# Altium PCB AMC_Box_Mainboard.PcbDoc (part 5 of 8)
Units mil, origin at the board's own origin, x right, y up, seen from the top; angles counter-clockwise.
Board outline 2795.28 x 7874.02 mil, 4 copper layers (TOP, GND, PWR, BTM), stack 63.701 mil thick; 505 components, 378 nets, 1991 pads, 997 vias.
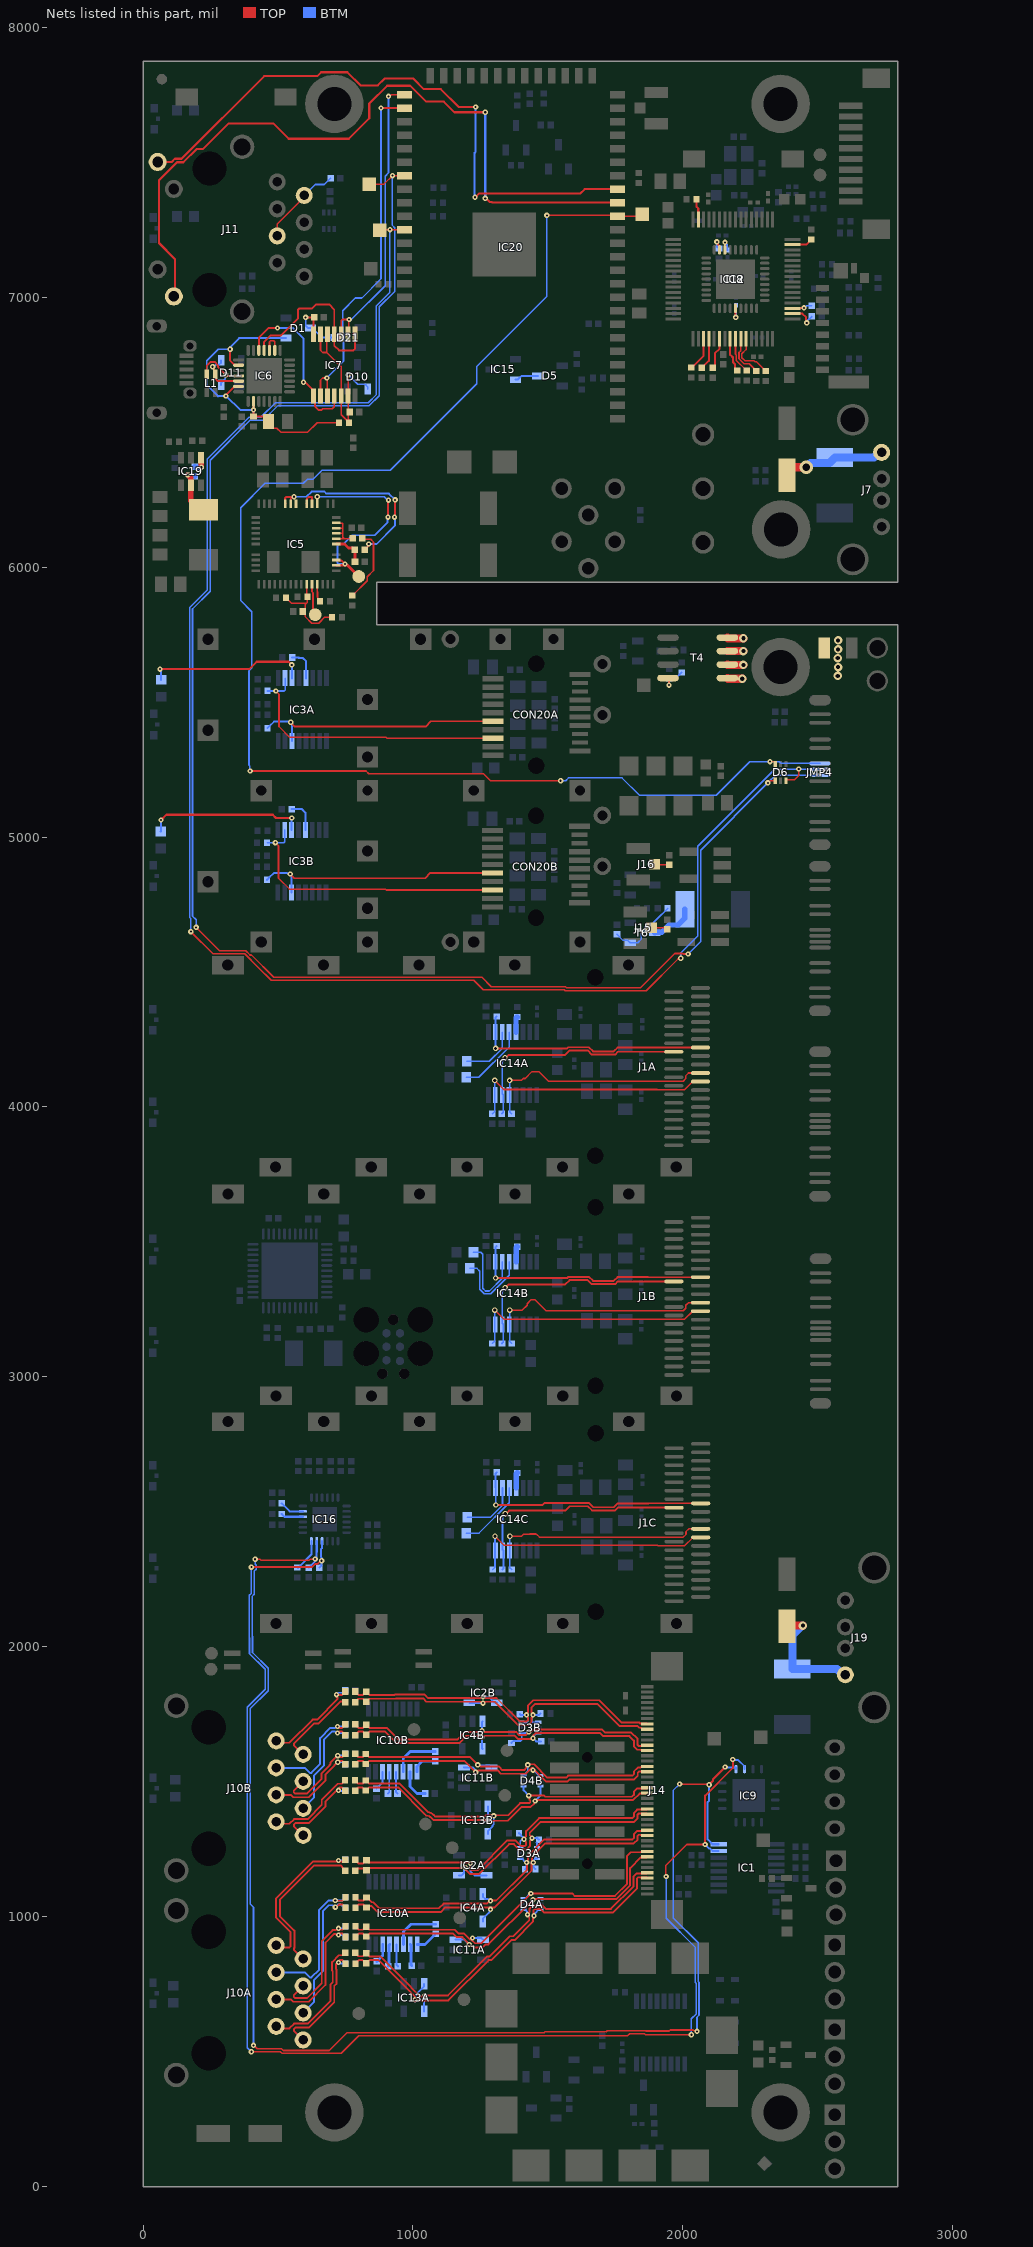
[diagram p7: the nets of this part, all layers, seen from the top]

## Via types
v1: diameter 19.68, hole 7.87, TOP to BTM, tented both sides, 751 vias
v2: diameter 20.08, hole 11.81, TOP to BTM, tented both sides, 162 vias
v3: diameter 19.68, hole 7.87, TOP to BTM, 43 vias
v4: diameter 31.5, hole 15.75, TOP to BTM, tented both sides, 36 vias
v5: diameter 25.98, hole 12.99, TOP to BTM, tented both sides, 4 vias
v6: diameter 50, hole 28, TOP to BTM, tented both sides, 1 vias

## Nets (pads, with @x,y where several pads share a name; then routed paths per layer and width w, separated by ;. In a path a pad name is that pad's centre, name@x,y a point inside that pad or via, vN(x,y) a via of type N, cw(c..) or ccw(c..) an arc to the next point about the centre after c; other vN are vias at no path point) (continued)
I2CH.SCL: IC1.16 IC9.13 IC16.17 R205.1 | length 5362.1
  TOP w6: v1(409.45,523.62) 410.3,523.62 423.2,510.72 513.35,510.72 519.4,504.68 689.92,504.68 756.1,570.87 1486.22,570.87 1489.43,574.07 1716.44,574.07 1720.03,577.65 1862.07,577.65 1862.8,576.92 1948.97,576.92 1952.61,580.56 2038.77,580.56 2041.16,578.17 2049.81,578.17 v1(2052.43,575.55) ; v1(415.32,2324.58) 415.35,2324.55 433.59,2324.55 436.59,2321.55 615.82,2321.55 618.82,2324.55 637.05,2324.55 v1(637.66,2325.15) ; v1(1988.19,1492.13) 1989.68,1490.64 2095.97,1490.64 v1(2097.46,1489.15)
  TOP w7.87: v1(2097.46,1489.15) 2097.46,1490.52 2112.09,1505.15 2112.09,1510.71 v1(2156.5,1555.12)
  BTM w6: v1(409.45,523.62) 409.45,1035.43 397.45,1047.43 397.45,1771.46 463.6,1837.62 463.6,1921.06 405.45,1979.21 405.45,2038.73 404.1,2040.08 404.1,2186.29 412.3,2194.49 412.3,2281.16 419.14,2288 419.14,2302.55 415.38,2306.31 415.38,2324.51 v1(415.32,2324.58) ; v1(1988.19,1492.13) 1963.81,1467.74 1963.81,996.82 2057.24,903.39 2057.24,760.44 2059.79,757.89 2059.79,635.74 2052.43,628.38 v1(2052.43,575.55)
  BTM w7.87: R205.1@614.17,2293.31 643.26,2322.4 643.26,2350.98 643.7,2351.42 IC16.17@643.7,2391.73 ; v1(637.66,2325.15) 637.66,2322.85 v1@640.69,2319.82 ; v1(2097.46,1489.15) 2097.46,1430.47 2091.83,1424.85 2091.83,1286.95 2109.97,1268.81 IC1.16@2132.6,1268.81 ; v1(2156.5,1555.12) 2158.76,1552.86 2195.03,1552.86 2196.85,1551.04 IC9.13@2196.85,1547.24
I2CH.SDA: IC1.15 IC9.14 IC16.16 R204.1 | length 5235.5
  TOP w6: v1(401.57,500) 508.91,500 514.96,493.95 734.11,493.95 799.21,559.06 1795.28,559.06 1803.15,566.93 1857.63,566.93 1861.57,562.99 v1(2031.5,562.99) ; v1(1938.22,1149.33) 1937.01,1150.54 1937.01,1190.2 2014.53,1267.72 v1(2082.68,1267.72)
  TOP w7: v1(401.57,2295.28) 625.98,2295.28 637.8,2307.09 646.52,2307.09 658.34,2318.9 v1(661.77,2318.9) ; v1(2082.68,1267.72) 2082.68,1448.82 2185.04,1551.18 v1(2185.04,1582.68)
  BTM w6: v1(401.57,500) 386.72,514.85 386.72,1776.56 452.88,1842.71 452.88,1916.62 394.72,1974.77 394.72,2034.29 393.37,2035.64 393.37,2190.73 401.57,2198.94 v1(401.57,2295.28) ; v1(1938.22,1149.33) 1938.74,1148.81 1938.74,994.33 2046.51,886.56 2046.51,756 2049.06,753.45 2049.06,640.18 2031.5,622.62 v1(2031.5,562.99)
  BTM w7: R204.1@653.54,2293.31 661.77,2301.53 v1(661.77,2318.9) 661.77,2330.38 659.1,2333.05 659.1,2361.81 663.39,2366.1 IC16.16@663.39,2391.73 ; v1(2082.68,1267.72) 2097.68,1252.72 2101.07,1252.72 2109.97,1243.81 IC1.15@2132.6,1243.81 ; v1(2185.04,1582.68) 2187.47,1580.25 2205.18,1580.25 2228.35,1557.09 IC9.14@2228.35,1547.24
INTLA: IC14A.5 J1A.28 R12A.1 | length 880.4
  TOP w6: v2(1358.27,4098.43) 1401.57,4098.43 1408.92,4105.77 1416.1,4105.77 1441.46,4131.13 1466.38,4131.13 1502.12,4095.39 2001,4095.39 2010.05,4104.44 2010.05,4115.01 2020.79,4125.75 J1A.28@2065.22,4125.75
  BTM w6: v2(1358.27,4098.43) 1358.27,3981.91 R12A.1@1365.22,3974.96
INTLB: IC14B.5 J1B.28 R12B.1 | length 887.8
  TOP w6: v2(1358.38,3247.72) 1405.27,3247.72 1423.02,3265.47 1423.02,3270.98 1437.52,3285.48 1452.24,3285.48 1493.04,3244.68 2001.12,3244.68 2011.01,3254.57 2011.01,3265.15 2020.9,3275.04 J1B.28@2065.34,3275.04
  BTM w6: v2(1358.38,3247.72) 1358.38,3131.2 R12B.1@1365.33,3124.25
INTLC: IC14C.5 J1C.28 R12C.1 | length 860.3
  TOP w6: v2(1359.19,2409.68) 1402.5,2409.68 1409.84,2417.03 1432.73,2417.03 1433.86,2418.15 1455.69,2418.15 1456.28,2417.56 1457.62,2417.56 1468.53,2406.65 2001.92,2406.65 2011.82,2416.54 2011.82,2427.11 2021.71,2437.01 J1C.28@2066.14,2437.01
  BTM w6: v2(1359.19,2409.68) 1359.19,2293.17 R12C.1@1366.14,2286.22
LED_ETHG: IC20.43 J11.D1 | length 2267.8
  TOP w8: J11.D1@54.24,7500.97 106.18,7500.97 117.93,7512.72 142.65,7512.72 448.87,7818.95 645.62,7818.95 660.2,7833.53 757.12,7833.53 805.79,7784.86 869.7,7784.86 894.57,7809.72 1001.84,7809.72 1040.62,7770.94 1103.07,7770.94 1169.29,7704.72 v1(1232.28,7704.72) ; v1(1229.9,7370.08) 1231.78,7370.08 1246.29,7384.58 1620.8,7384.58 1636.61,7400.39 IC20.43@1758.5,7400.39
  BTM w8: v1(1229.9,7370.08) 1228.35,7371.63 1228.35,7534.32 1232.28,7538.25 v1(1232.28,7704.72)
LED_ETHY: IC20.42 J11.D3 | length 2746.5
  TOP w8: J11.D3@114.24,7002.97 118.11,7006.83 118.11,7141.73 59.06,7200.79 59.06,7433.07 125.98,7500 149.61,7500 198.29,7548.68 221.91,7548.68 317.23,7644 483,7644 540.18,7586.82 762.39,7586.82 838.38,7662.81 838.38,7717.54 904.3,7783.46 989.77,7783.46 1048.8,7724.43 1114.15,7724.43 1153.54,7685.04 v1(1267.72,7685.04) ; v1(1267.72,7366.02) 1270.88,7366.02 1284.04,7352.85 1291.1,7352.85 1293.56,7350.39 IC20.42@1758.5,7350.39
  BTM w8: v1(1267.72,7366.02) v1(1267.72,7685.04)
LOSA: CON20A.8 IC3A.10 R91A.1 | length 1057.5
  TOP w6: v1(492.13,5541.34) 503.94,5529.53 503.94,5409.45 544.18,5369.21 900.4,5369.21 903.67,5365.95 CON20A.8@1296.26,5365.95
  BTM w6: R91A.1@461.42,5541.34 v1(492.13,5541.34) 523.06,5541.34 526.57,5544.85 IC3A.10@526.57,5588.58
LOSB: CON20B.8 IC3B.10 R91B.1 | length 1057.5
  TOP w6: v1(490.35,4979.37) 502.17,4967.56 502.17,4847.48 542.41,4807.24 898.63,4807.24 901.89,4803.98 CON20B.8@1294.49,4803.98
  BTM w6: R91B.1@459.65,4979.37 v1(490.35,4979.37) 521.29,4979.37 524.8,4982.88 IC3B.10@524.8,5026.61
LPModeA: IC14A.10 J1A.31 R6A.1 | length 894.3
  TOP w6: 1871.12,4220.24 J1A.31@2065.22,4220.24
  TOP w7: v2(1306.3,4217.25) 1307.02,4216.54 1570.72,4216.54 1575.62,4221.43 1652.06,4221.43 1667.35,4206.15 1743.79,4206.15 1757.88,4220.24 1871.12,4220.24
  BTM w7: v2(1306.3,4217.25) 1305.74,4217.81 1305.74,4278.67 1305.18,4279.23 1305.18,4330.67 R6A.1@1310.1,4335.59
LPModeB: IC14B.10 J1B.31 R6B.1 | length 894.3
  TOP w6: 1871.24,3369.53 J1B.31@2065.34,3369.53
  TOP w7: v2(1306.42,3366.54) 1307.13,3365.83 1570.84,3365.83 1575.74,3370.72 1652.18,3370.72 1667.46,3355.44 1743.9,3355.44 1758,3369.53 1871.24,3369.53
  BTM w7: v2(1306.42,3366.54) 1305.86,3367.1 1305.86,3427.96 1305.3,3428.52 1305.3,3479.96 R6B.1@1310.22,3484.88
LPModeC: IC14C.10 J1C.31 R6C.1 | length 898.1
  TOP w6: 1872.05,2531.5 J1C.31@2066.14,2531.5
  TOP w7: v2(1307.23,2525.54) 1307.53,2525.24 1479.4,2525.24 1486.85,2532.69 1652.98,2532.69 1668.27,2517.4 1744.71,2517.4 1758.8,2531.5 1872.05,2531.5
  BTM w7: v2(1307.23,2525.54) 1306.66,2526.1 1306.66,2589.93 1306.1,2590.49 1306.1,2641.93 R6C.1@1311.02,2646.85
LVDS0_N: D3B.1 IC2B.4 J14.32 R22B.1 R40B.2 R82B.2 | length 1383.4
  TOP w7: R40B.2@786.22,1795.28 786.22,1796.06 798.12,1807.96 814.48,1807.96 825.98,1796.46 R22B.1@826.77,1796.46 827.56,1796.46 839.06,1807.96 937.59,1807.96 938.63,1809 1037.34,1809 1049.8,1796.54 1251.21,1796.54 1256.41,1791.34 1263.28,1791.34 1268.48,1796.54 1303.81,1796.54 1390.77,1709.59 1427.38,1709.59 1439.68,1721.89 1439.68,1739.39 1444.88,1744.6 v1(1444.88,1748.03) 1444.88,1751.46 1439.68,1756.67 1439.68,1776.25 1451.65,1788.23 1684.28,1788.23 1766.38,1706.12 1832.29,1706.12 1837.98,1700.44 1844.84,1700.44 1850.39,1694.88 J14.32@1868.11,1694.88
  BTM w7: IC2B.4@1208.66,1793.31 1210.63,1791.34 v1(1259.84,1791.34) ; D3B.1@1464.17,1720.47 1444.17,1720.47 1440.07,1724.57 1440.07,1739.79 1444.88,1744.6 v1(1444.88,1748.03) 1467.53,1748.03 R82B.2@1472.5,1753
LVDS0_P: D3B.6 IC2B.3 J14.33 R22B.2 R39B.2 R81B.2 | length 1385.8
  TOP w7: R39B.2@786.22,1834.65 786.22,1833.86 798.12,1821.96 814.48,1821.96 825.98,1833.46 R22B.2@826.77,1833.46 827.56,1833.46 839.06,1821.96 931.79,1821.96 932.83,1823 1043.14,1823 1047.24,1818.9 1055.6,1810.54 1251.21,1810.54 1256.41,1815.75 1263.28,1815.75 1268.48,1810.54 1309.61,1810.54 1396.56,1723.59 1421.58,1723.59 1425.68,1727.69 1425.68,1739.39 1420.47,1744.6 v1(1420.47,1748.03) 1420.47,1751.46 1425.68,1756.67 1425.68,1782.05 1445.85,1802.23 1690.08,1802.23 1772.18,1720.12 1838.09,1720.12 1841.71,1716.5 1866.18,1716.5 J14.33@1868.11,1714.57
  BTM w7: v1(1259.84,1815.75) 1261.29,1814.3 1280.18,1814.3 1301.18,1793.31 IC2B.3@1311.02,1793.31 ; R81B.2@1396,1751 1398.97,1748.03 v1(1420.47,1748.03) 1420.47,1744.6 1426.07,1739 1426.07,1724.57 1421.97,1720.47 D3B.6@1401.97,1720.47
LVDS0A_N: D3A.1 IC2A.4 J14.16 R22A.1 R40A.2 R82A.2 | length 1342.8
  TOP w7: R40A.2@786.22,1171.26 786.22,1172.05 793.74,1179.57 819.25,1179.57 826.38,1172.44 R22A.1@827.95,1172.44 828.74,1172.44 836.66,1180.36 899.1,1180.36 900.19,1181.45 v1@1188.06,1181.45 ; v1@1191.22,1178.29 1210.75,1158.76 1245.49,1158.76 1356.06,1269.33 1373.84,1269.33 1394.22,1248.96 1421.2,1248.96 1433.5,1261.26 1433.5,1280.9 1438.3,1285.7 1438.3,1293.98 1438.07,1294.21 1438.07,1296.67 1432.95,1301.78 1432.95,1311.68 1473.06,1351.79 1819.24,1351.79 1832.26,1364.81 1832.26,1378.66 1836.36,1382.76 1842.16,1382.76 1842.6,1382.33 1865.7,1382.33 J14.16@1868.11,1379.92
  BTM w7: IC2A.4@1170.47,1153.54 1180.32,1153.54 1188.63,1161.85 1188.63,1172.88 1192.91,1177.17 1192.91,1179.99 v1(1194.38,1181.45) ; v1(1440.94,1291.34) 1461,1291.34 R82A.2@1466.68,1285.65 ; R82A.2@1457.05,1275.23 1459.84,1272.44 D3A.1@1459.84,1255.91
LVDS0A_P: D3A.6 IC2A.3 J14.17 R22A.2 R39A.2 R81A.2 | length 1426
  TOP w7: R39A.2@786.22,1210.63 786.22,1209.84 798.12,1197.94 815.66,1197.94 827.17,1209.45 R22A.2@827.95,1209.45 835.87,1201.53 v1@1205.27,1201.53 ; v1(1213.02,1197.21) 1213.02,1192.78 1212.44,1192.21 1212.44,1176.87 1216.55,1172.76 1239.69,1172.76 1350.26,1283.33 1379.64,1283.33 1400.02,1262.96 1415.4,1262.96 1419.5,1267.06 1419.5,1276.96 1411.46,1285 v1(1411.46,1287.4) 1411.46,1290.35 1418.95,1297.84 1418.95,1317.48 1467.27,1365.79 1813.45,1365.79 1818.26,1370.61 1818.26,1384.46 1830.57,1396.76 1843.89,1396.76 1844.32,1397.2 1865.7,1397.2 J14.17@1868.11,1399.61
  BTM w7: v1(1213.02,1197.21) 1212.6,1196.78 1212.6,1169.29 1228.35,1153.54 IC2A.3@1272.83,1153.54 ; R81A.2@1393.5,1310 1393.5,1309.21 1409.03,1293.69 1409.03,1289.83 v1(1411.46,1287.4) ; D3A.6@1397.64,1255.91 1397.64,1279.53 v1@1405.59,1287.48
LVDS0CA_N: J10A.2 R40A.1 | length 560
  TOP w7: J10A.2@593.31,843.9 559.3,877.91 559.3,883.71 560.64,885.05 560.64,949.05 507.31,1002.39 507.31,1062.99 634.51,1190.2 733.21,1190.2 737.32,1186.1 737.32,1183.94 749.21,1172.05 R40A.1@749.21,1171.26
LVDS0CA_P: J10A.1 R16A.1 R39A.1 | length 598.3
  TOP w7: J10A.1@493.31,893.9 500.45,886.75 542.54,886.75 546.64,890.85 546.64,943.25 493.31,996.59 493.31,1068.79 628.72,1204.2 742.78,1204.2 R39A.1@749.21,1210.63
  BTM w7: v1(724.41,1208.66) 747.24,1208.66 R16A.1@749.21,1210.63
LVDS0CB_N: J10B.2 R40B.1 | length 309.1
  TOP w7: J10B.2@593.31,1601.77 559.3,1635.78 559.3,1641.58 634.42,1716.7 650.84,1716.7 731.4,1797.26 747.23,1797.26 R40B.1@749.21,1795.28
LVDS0CB_P: J10B.1 R16B.1 R39B.1 | length 379.2
  TOP w7: J10B.1@493.31,1651.77 500.45,1644.63 542.54,1644.63 628.62,1730.7 645.04,1730.7 720.29,1805.95 720.29,1811.75 718.96,1813.08 ; v1@719.88,1821.96 737.31,1821.96 749.21,1833.86 R39B.1@749.21,1834.65
  BTM w7: v1(716.54,1822.83) 723.58,1829.88 741.3,1829.88 749.21,1837.8 R16B.1@749.21,1838.58
LVDS1_N: D3B.3 IC4B.4 J14.28 R24B.1 R44B.2 R84B.2 | length 1277.7
  TOP w7: R44B.2@786.22,1673.23 786.22,1674.02 798.12,1685.91 814.48,1685.91 825.98,1674.41 R24B.1@826.77,1674.41 827.56,1674.41 839.06,1685.91 896.76,1685.91 939.2,1643.48 1171.15,1643.48 1198.23,1670.56 1247.27,1670.56 ; v1(1255.91,1665.35) 1259.34,1665.35 1264.54,1670.56 1377.36,1670.56 1388.69,1659.23 v1@1442.3,1659.23 ; v1@1447.31,1667.28 1447.31,1673.15 1454.69,1680.53 1693.44,1680.53 1704.68,1669.29 1801.99,1669.29 1818.26,1653.01 1818.26,1631.29 1830.57,1618.98 1843.89,1618.98 1844.32,1618.55 1865.7,1618.55 J14.28@1868.11,1616.14
  BTM w7: v1(1255.91,1665.35) 1255.91,1624.02 IC4B.4@1257.87,1622.05 ; D3B.3@1464.17,1681.1 1458.86,1681.1 1444.88,1667.13 v1(1444.88,1661.42) 1456.3,1650 R84B.2@1475.5,1650
LVDS1_P: D3B.4 IC4B.3 J14.29 R24B.2 R41B.2 R83B.2 | length 1304
  TOP w7: R41B.2@786.22,1712.6 786.22,1711.81 798.12,1699.91 814.48,1699.91 825.98,1711.42 R24B.2@826.77,1711.42 827.56,1711.42 839.06,1699.91 902.56,1699.91 923.29,1679.19 928.24,1674.24 945,1657.48 1165.35,1657.48 1192.43,1684.56 1247.27,1684.56 ; v1(1255.91,1689.76) 1259.34,1689.76 1264.54,1684.56 1383.16,1684.56 1394.49,1673.23 1417.32,1673.23 v1(1429.13,1685.04) ; v1@1429.28,1687.29 1441.65,1687.29 1448.89,1694.53 1699.24,1694.53 1710.48,1683.29 1807.78,1683.29 1832.26,1658.81 1832.26,1637.09 1836.36,1632.98 1842.16,1632.98 1842.6,1633.42 1865.7,1633.42 J14.29@1868.11,1635.83
  BTM w7: v1(1255.91,1689.76) 1255.91,1722.44 IC4B.3@1257.87,1724.41 ; R83B.2@1365,1643.99 1372.92,1651.91 1398.9,1651.91 1403,1656.01 1403,1680.07 D3B.4@1401.97,1681.1 1425.2,1681.1 v1(1429.13,1685.04)
LVDS1A_N: D3A.3 IC4A.4 J14.12 R24A.1 R44A.2 R84A.2 | length 1367.5
  TOP w7: R44A.2@787.4,1033.46 787.4,1034.25 799.3,1046.15 815.66,1046.15 827.17,1034.65 828.74,1034.65 833.93,1039.84 846.56,1039.84 868.9,1017.5 1102.22,1017.5 1119.37,1034.65 1302.48,1034.65 1439.33,1171.5 v1@1439.33,1198.66 ; v1(1445.67,1200.79) 1445.67,1204.22 1440.46,1209.42 1440.46,1221.13 1490.98,1271.65 1817.85,1271.65 1832.26,1286.07 1832.26,1299.92 1836.36,1304.02 1842.16,1304.02 1842.6,1303.59 1865.7,1303.59 J14.12@1868.11,1301.18
  BTM w7: IC4A.4@1259.06,982.28 1259.06,992.13 1283.46,1016.54 1283.46,1023.62 v1(1287.4,1027.56) ; R84A.2@1454,1177 1446.08,1184.92 1446.08,1200.37 v1(1445.67,1200.79) 1448.1,1203.21 1448.1,1210.1 1454.53,1216.54 D3A.3@1459.84,1216.54
LVDS1A_P: D3A.4 IC4A.3 J14.13 R24A.2 R41A.2 R83A.2 | length 1356.2
  TOP w7: R41A.2@787.4,1072.83 787.4,1072.05 799.3,1060.15 815.66,1060.15 827.17,1071.65 828.74,1071.65 846.56,1053.84 852.36,1053.84 874.7,1031.5 1096.42,1031.5 1113.57,1048.65 1273.56,1048.65 1283.97,1059.06 v1(1287.4,1059.06) 1288.06,1059.71 1307.74,1059.71 1423.01,1174.98 v1@1423.01,1200.79 ; 1426.46,1209.42 1426.46,1226.93 1485.19,1285.65 1812.05,1285.65 1818.26,1291.87 1818.26,1305.72 1830.57,1318.02 1843.89,1318.02 1844.32,1318.46 1865.7,1318.46 J14.13@1868.11,1320.87
  BTM w7: IC4A.3@1259.06,1084.65 1259.06,1074.8 1267.37,1066.49 1276.53,1066.49 1283.97,1059.06 v1(1287.4,1059.06) ; D3A.4@1397.64,1216.54 1402.95,1216.54 1418.7,1200.79 v1(1421.26,1200.79) 1421.26,1181.76 R83A.2@1415.5,1176
LVDS1CA_N: J10A.6 R20A.1 R44A.1 | length 564.3
  TOP w7: v1(712.6,1035.83) 716.03,1035.83 725.65,1045.44 739.2,1045.44 750.39,1034.25 R44A.1@750.39,1033.46
  BTM w7: J10A.6@593.31,643.9 633.03,683.62 633.03,765.1 666.4,798.47 666.4,1020.3 688.76,1042.65 702.34,1042.65 706.74,1038.25 709.91,1038.25 v1@712.6,1040.94 ; v1(712.6,1035.83) v1@712.6,1040.94 ; R20A.1@750.39,1033.46 750.39,1034.25 742.48,1042.17 735.02,1042.17 731.04,1046.15 724.06,1046.15 717.31,1039.4 714.14,1039.4 v1@712.6,1040.94
LVDS1CA_P: J10A.3 R17A.1 R41A.1 | length 552.4
  TOP w7: v1@721.24,1060.15 721.94,1059.44 737.79,1059.44 750.39,1072.05 R41A.1@750.39,1072.83
  BTM w7: J10A.3@493.31,793.9 599.48,793.9 617.86,775.52 623.65,775.52 652.4,804.27 652.4,1026.1 686.54,1060.24 712.01,1060.24 v1(712.37,1060.59) ; v1@716.03,1065.35 721.24,1060.15 738.5,1060.15 750.39,1072.05 R17A.1@750.39,1072.83
LVDS1CB_N: J10B.6 R20B.1 R44B.1 | length 410.4
  TOP w7: v1@727.3,1685.91 737.32,1685.91 749.21,1674.02 R44B.1@749.21,1673.23
  BTM w7: J10B.6@593.31,1401.77 633.03,1441.49 633.03,1522.97 670.34,1560.29 670.34,1656.13 700.13,1685.91 711.84,1685.91 717.04,1680.71 v1(720.47,1680.71) 741.73,1680.71 R20B.1@749.21,1673.23
LVDS1CB_P: J10B.3 R17B.1 R41B.1 | length 427.3
  TOP w7: v1@721.5,1699.91 737.32,1699.91 749.21,1711.81 R41B.1@749.21,1712.6
  BTM w7: J10B.3@493.31,1551.77 599.48,1551.77 617.86,1533.4 623.65,1533.4 656.34,1566.08 656.34,1661.92 694.33,1699.91 711.84,1699.91 717.04,1705.12 v1(720.47,1705.12) 741.73,1705.12 R17B.1@749.21,1712.6
LVDS2_N: D4B.1 IC11B.3 J14.24 R26B.1 R43B.2 | length 1246.4
  TOP w7: R43B.2@786.22,1564.96 786.22,1565.75 798.12,1577.65 813.3,1577.65 824.8,1566.14 826.38,1566.14 837.88,1577.65 1190.07,1577.65 v1(1232.28,1535.43) 1235.72,1535.43 1242.34,1542.05 1313.35,1542.05 1325.64,1529.77 1417.52,1529.77 1438.72,1550.96 v1@1442.98,1550.96 ; v1@1447.76,1546.18 1492.32,1501.62 1572.94,1501.62 1580.6,1509.27 1819.24,1509.27 1832.98,1523.01 1832.98,1533.01 1838.58,1538.61 1866.91,1538.61 J14.24@1868.11,1537.4
  BTM w7: IC11B.3@1188.98,1553.15 1189.58,1553.75 1221.84,1553.75 1229.86,1545.73 ; v1(1444.88,1543.31) 1447.05,1543.31 1466.73,1523.62 D4B.1@1472.05,1523.62
LVDS2_P: D4B.6 IC11B.4 J14.25 R26B.2 R42B.2 | length 1265
  TOP w7: R42B.2@786.22,1604.33 786.22,1603.54 798.12,1591.65 813.3,1591.65 824.8,1603.15 R26B.2@825.59,1603.15 826.38,1603.15 837.88,1591.65 1211.5,1591.65 v1(1240.16,1562.99) 1243.59,1562.99 1250.53,1556.05 1319.15,1556.05 1331.44,1543.77 1411.72,1543.77 1420.69,1552.73 1420.69,1555.05 1423.56,1557.92 v1@1423.56,1560.57 ; v1@1432.92,1564.96 1448.78,1564.96 1498.12,1515.62 1567.15,1515.62 1574.8,1523.27 1813.45,1523.27 1818.98,1528.81 1818.98,1538.81 1832.78,1552.61 1842.25,1552.61 1844.32,1554.68 1865.7,1554.68 J14.25@1868.11,1557.09
  BTM w7: v1(1240.16,1562.99) 1241.69,1561.46 1283.03,1561.46 IC11B.4@1291.34,1553.15 ; D4B.6@1409.84,1523.62 1415.16,1523.62 1417.56,1526.03 1417.56,1531.34 1425.2,1538.98 v1(1425.2,1562.99)
LVDS2A_N: D4A.1 IC11A.3 J14.8 R26A.1 R43A.2 | length 1384.5
  TOP w7: R43A.2@787.4,925.2 787.4,925.98 799.3,937.88 814.48,937.88 825.98,926.38 827.56,926.38 839.06,937.88 1148.76,937.88 1162.01,924.63 1183.32,924.63 1207.43,900.51 1211.54,900.51 1211.54,898.19 1217.41,892.32 1218.11,892.32 1223.64,886.79 1258.6,886.79 1269.29,897.47 1279.36,897.47 1443.55,1061.66 1443.55,1065.42 1443.65,1065.31 1594.31,1065.31 1594.35,1065.27 1753.21,1065.27 1804.81,1116.86 1804.81,1180.62 1844.23,1220.04 1865.7,1220.04 J14.8@1868.11,1222.44
  BTM w7: IC11A.3@1157.48,915.35 1190.94,915.35 v1(1208.66,897.64) ; v1(1444.88,1062.99) 1448.82,1066.93 D4A.1@1472.05,1066.93
LVDS2A_P: D4A.6 IC11A.4 J14.9 R26A.2 R42A.2 | length 1406.7
  TOP w7: R42A.2@787.4,964.57 787.4,963.78 799.3,951.88 814.48,951.88 825.98,963.39 827.56,963.39 839.06,951.88 1154.56,951.88 1167.81,938.63 1189.12,938.63 1212.08,915.66 1216.19,915.66 1229.92,901.93 1252.33,901.93 1434.27,1083.88 1434.27,1084.19 1437.4,1081.06 1437.4,1081.15 1442.87,1086.61 1589.59,1086.61 1599.21,1076.99 1748.36,1076.99 1793.09,1121.72 1793.09,1226.27 1806.1,1239.28 1843.89,1239.28 1844.32,1239.72 1865.7,1239.72 J14.9@1868.11,1242.13
  BTM w7: v1(1220.47,921.26) 1253.94,921.26 IC11A.4@1259.84,915.35 ; D4A.6@1409.84,1066.93 1415.16,1066.93 1434.84,1086.61 v1(1437.01,1086.61)
LVDS2CA_N: J10A.5 R19A.1 R43A.1 | length 489.1
  TOP w7: J10A.5@493.31,693.9 548.05,693.9 556.78,685.17 613.77,685.17 676.07,747.47 676.07,904.42 708.17,936.51 713.97,936.51 715.38,935.1 721.98,935.1 v1(724.41,932.68) ; v1@728.48,937.88 738.5,937.88 750.39,925.98 R43A.1@750.39,925.2
  BTM w7: v1(724.41,932.68) 742.91,932.68 R19A.1@750.39,925.2
LVDS2CA_P: J10A.4 R18A.1 R42A.1 | length 482.2
  TOP w7: J10A.4@593.31,743.9 558.48,709.07 558.48,703.27 562.58,699.17 607.97,699.17 662.07,753.27 662.07,910.22 702.37,950.51 714.4,950.51 720.98,957.09 v1(724.41,957.09) ; v1@724.41,951.88 738.5,951.88 750.39,963.78 R42A.1@750.39,964.57
  BTM w7: v1(724.41,957.09) 742.91,957.09 R18A.1@750.39,964.57
LVDS2CB_N: J10B.5 R19B.1 R43B.1 | length 357.6
  TOP w7: J10B.5@493.31,1451.77 548.05,1451.77 556.78,1443.04 613.77,1443.04 675.48,1504.76 675.48,1525.83 697.29,1547.64 697.29,1548.23 709.29,1560.24 709.29,1562 719.74,1572.44 v1(721.5,1572.44) ; v1@727.3,1577.65 737.32,1577.65 749.21,1565.75 R43B.1@749.21,1564.96
  BTM w7: v1(721.5,1572.44) 741.73,1572.44 R19B.1@749.21,1564.96
LVDS2CB_P: J10B.4 R18B.1 R42B.1 | length 357.8
  TOP w7: J10B.4@593.31,1501.77 558.48,1466.94 558.48,1461.15 562.58,1457.04 607.97,1457.04 661.48,1510.56 661.48,1531.63 691.49,1561.64 ; 691.19,1561.94 695.29,1566.04 695.29,1571.79 720.36,1596.85 v1(721.5,1596.85) ; v1@721.5,1591.65 737.32,1591.65 749.21,1603.54 R42B.1@749.21,1604.33